# KiCad board TFLN_AI_NODE_X2_routed.kicad_pcb (continued)
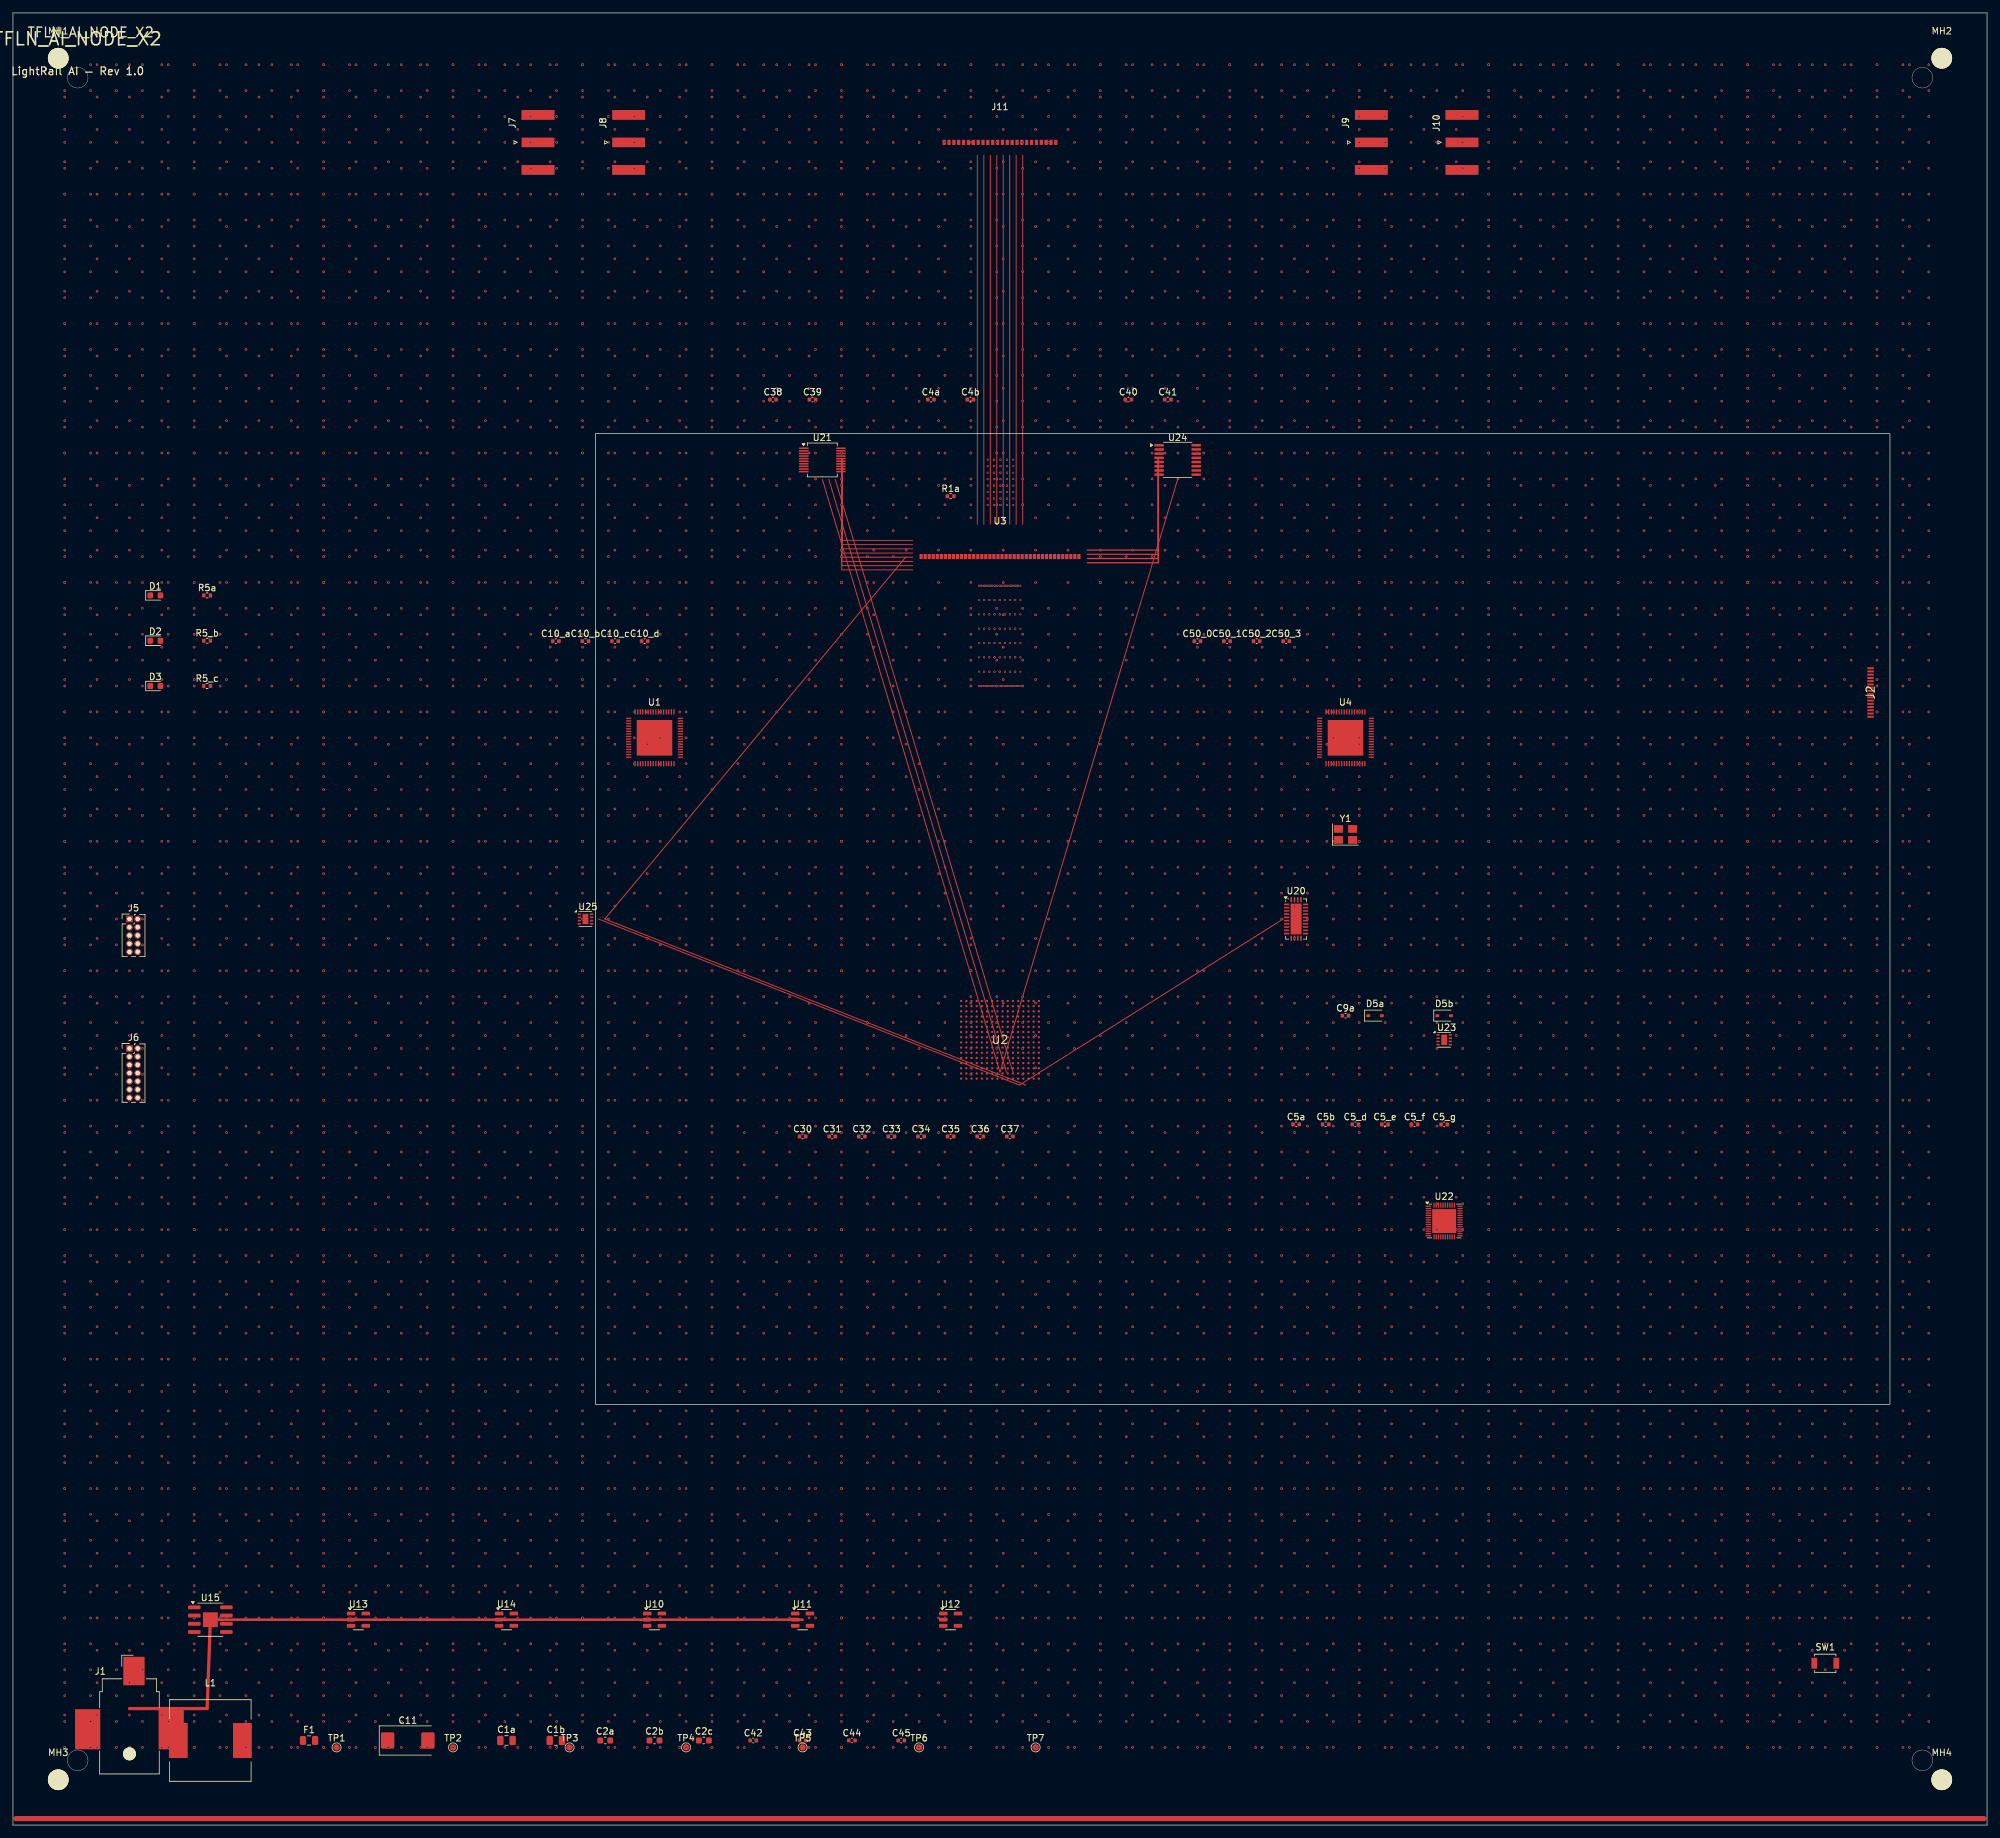
[diagram p0: board, top side]
## Routing (per net, layer and track width the routed paths; a pad name or vN(x,y) marks a point on that pad's centre or on a via; arc(x,y) is an arc through that point) (continued)
v1(208,232) v1(208,232) v1(208,228) v1(208,227) v1(208,224) v1(208,222) v1(208,220) v1(208,217) v1(208,216) v1(208,212) v1(208,212) v1(208,208) v1(208,207) v1(208,204) v1(208,202) v1(208,200) v1(208,197) v1(208,196) v1(208,192) v1(208,192) v1(208,188) v1(208,187) v1(208,184) v1(208,182) v1(208,180) v1(208,177) v1(208,176) v1(208,168) v1(208,167) v1(208,162) v1(208,160) v1(208,157) v1(208,156) v1(208,152) v1(208,152) v1(208,148) v1(208,147) v1(208,144) v1(208,142) v1(208,140) v1(208,137) v1(208,136) v1(208,132) v1(208,132) v1(208,128) v1(208,127) v1(208,124) v1(208,122) v1(208,120) v1(208,117) v1(208,116) v1(208,112) v1(208,112) v1(208,108) v1(208,107) v1(208,104) v1(208,102) v1(208,100) v1(208,97) v1(208,96) v1(208,92) v1(208,92) v1(208,88) v1(208,87) v1(208,84) v1(208,82) v1(208,80) v1(208,77) v1(208,76) v1(208,72) v1(208,72) v1(208,68) v1(208,67) v1(208,64) v1(208,62) v1(208,60) v1(208,57) v1(208,56) v1(208,52) v1(208,52) v1(208,48) v1(208,47) v1(208,44) v1(208,42) v1(208,40) v1(208,37) v1(208,36) v1(208,32) v1(208,32) v1(208,28) v1(208,27) v1(208,24) v1(208,22) v1(208,20) v1(208,17) v1(208,16) v1(208,12) v1(208,12) v1(212,272) v1(212,268) v1(212,264) v1(212,256) v1(212,252) v1(212,248) v1(212,244) v1(212,240) v1(212,236) v1(212,232) v1(212,228) v1(212,224) v1(212,220) v1(212,216) v1(212,212) v1(212,208) v1(212,204) v1(212,200) v1(212,196) v1(212,192) v1(212,188) v1(212,184) v1(212,180) v1(212,176) v1(212,172) v1(212,168) v1(212,164) v1(212,160) v1(212,156) v1(212,152) v1(212,148) v1(212,144) v1(212,140) v1(212,136) v1(212,132) v1(212,128) v1(212,124) v1(212,120) v1(212,116) v1(212,112) v1(212,108) v1(212,104) v1(212,100) v1(212,96) v1(212,92) v1(212,88) v1(212,84) v1(212,80) v1(212,76) v1(212,72) v1(212,68) v1(212,64) v1(212,60) v1(212,56) v1(212,52) v1(212,48) v1(212,44) v1(212,40) v1(212,36) v1(212,32) v1(212,28) v1(212,24) v1(212,20) v1(212,16) v1(212,12) v1(213,272) v1(213,267) v1(213,262) v1(213,257) v1(213,252) v1(213,247) v1(213,242) v1(213,237) v1(213,232) v1(213,227) v1(213,222) v1(213,217) v1(213,212) v1(213,207) v1(213,202) v1(213,197) v1(213,192) v1(213,187) v1(213,182) v1(213,177) v1(213,172) v1(213,167) v1(213,162) v1(213,157) v1(213,152) v1(213,147) v1(213,142) v1(213,137) v1(213,132) v1(213,127) v1(213,122) v1(213,117) v1(213,112) v1(213,107) v1(213,102) v1(213,97) v1(213,92) v1(213,87) v1(213,82) v1(213,77) v1(213,72) v1(213,67) v1(213,62) v1(213,57) v1(213,52) v1(213,47) v1(213,42) v1(213,37) v1(213,32) v1(213,27) v1(213,22) v1(213,17) v1(213,12) v1(216,272) v1(216,268) v1(216,264) v1(216,260) v1(216,256) v1(216,252) v1(216,248) v1(216,244) v1(216,240) v1(216,236) v1(216,232) v1(216,228) v1(216,224) v1(216,220) v1(216,216) v1(216,212) v1(216,208) v1(216,204) v1(216,200) v1(216,196) v1(216,192) v1(216,188) v1(216,184) v1(216,180) v1(216,176) v1(216,172) v1(216,168) v1(216,164) v1(216,160) v1(216,156) v1(216,152) v1(216,148) v1(216,144) v1(216,140) v1(216,136) v1(216,132) v1(216,128) v1(216,124) v1(216,120) v1(216,116) v1(216,112) v1(216,104) v1(216,100) v1(216,96) v1(216,92) v1(216,88) v1(216,84) v1(216,80) v1(216,76) v1(216,72) v1(216,68) v1(216,64) v1(216,60) v1(216,56) v1(216,52) v1(216,48) v1(216,44) v1(216,40) v1(216,36) v1(216,32) v1(216,28) v1(216,24) v1(216,20) v1(216,16) v1(216,12) v1(218,272) v1(218,267) v1(218,262) v1(218,257) v1(218,252) v1(218,247) v1(218,242) v1(218,237) v1(218,232) v1(218,227) v1(218,222) v1(218,217) v1(218,212) v1(218,207) v1(218,202) v1(218,197) v1(218,192) v1(218,187) v1(218,182) v1(218,177) v1(218,172) v1(218,167) v1(218,162) v1(218,157) v1(218,152) v1(218,147) v1(218,142) v1(218,137) v1(218,132) v1(218,127) v1(218,122) v1(218,117) v1(218,112) v1(218,107) v1(218,102) v1(218,97) v1(218,92) v1(218,87) v1(218,82) v1(218,77) v1(218,72) v1(218,67) v1(218,62) v1(218,57) v1(218,52) v1(218,47) v1(218,42) v1(218,37) v1(218,32) v1(218,27) v1(218,22) v1(218,17) v1(218,12) v1(220,272) v1(220,268) v1(220,264) v1(220,260) v1(220,256) v1(220,252) v1(220,248) v1(220,244) v1(220,240) v1(220,236) v1(220,232) v1(220,228) v1(220,224) v1(220,220) v1(220,216) v1(220,212) v1(220,208) v1(220,204) v1(220,200) v1(220,196) v1(220,192) v1(220,188) v1(220,184) v1(220,180) v1(220,176) v1(220,172) v1(220,168) v1(220,164) v1(220,160) v1(220,156) v1(220,152) v1(220,148) v1(220,144) v1(220,140) v1(220,136) v1(220,132) v1(220,128) v1(220,124) v1(220,120) v1(220,116) v1(220,112) v1(220,108) v1(220,104) v1(220,100) v1(220,96) v1(220,92) v1(220,88) v1(220,84) v1(220,80) v1(220,76) v1(220,72) v1(220,68) v1(220,64) v1(220,60) v1(220,56) v1(220,52) v1(220,48) v1(220,44) v1(220,40) v1(220,36) v1(220,32) v1(220,28) v1(220,24) v1(220,20) v1(220,16) v1(220,12) v1(223,272) v1(223,267) v1(223,262) v1(223,257) v1(223,252) v1(223,247) v1(223,242) v1(223,237) v1(223,232) v1(223,227) v1(223,222) v1(223,217) v1(223,212) v1(223,207) v1(223,202) v1(223,197) v1(223,192) v1(223,187) v1(223,182) v1(223,177) v1(223,172) v1(223,167) v1(223,162) v1(223,157) v1(223,152) v1(223,147) v1(223,142) v1(223,137) v1(223,132) v1(223,127) v1(223,122) v1(223,117) v1(223,112) v1(223,107) v1(223,102) v1(223,97) v1(223,92) v1(223,87) v1(223,82) v1(223,77) v1(223,72) v1(223,67) v1(223,62) v1(223,57) v1(223,52) v1(223,47) v1(223,42) v1(223,37) v1(223,32) v1(223,27) v1(223,22) v1(223,17) v1(223,12) v1(224,272) v1(224,268) v1(224,264) v1(224,256) v1(224,252) v1(224,248) v1(224,244) v1(224,240) v1(224,236) v1(224,232) v1(224,228) v1(224,224) v1(224,220) v1(224,216) v1(224,212) v1(224,208) v1(224,204) v1(224,200) v1(224,196) v1(224,192) v1(224,188) v1(224,184) v1(224,180) v1(224,176) v1(224,172) v1(224,168) v1(224,164) v1(224,160) v1(224,156) v1(224,152) v1(224,148) v1(224,144) v1(224,140) v1(224,136) v1(224,132) v1(224,128) v1(224,124) v1(224,120) v1(224,116) v1(224,112) v1(224,108) v1(224,104) v1(224,100) v1(224,96) v1(224,92) v1(224,88) v1(224,84) v1(224,80) v1(224,76) v1(224,72) v1(224,68) v1(224,64) v1(224,60) v1(224,56) v1(224,52) v1(224,48) v1(224,44) v1(224,40) v1(224,36) v1(224,32) v1(224,28) v1(224,24) v1(224,20) v1(224,16) v1(224,12) v1(228,272) v1(228,272) v1(228,268) v1(228,267) v1(228,264) v1(228,262) v1(228,260) v1(228,257) v1(228,256) v1(228,252) v1(228,252) v1(228,248) v1(228,247) v1(228,244) v1(228,242) v1(228,240) v1(228,237) v1(228,236) v1(228,232) v1(228,232) v1(228,228) v1(228,227) v1(228,224) v1(228,222) v1(228,220) v1(228,217) v1(228,216) v1(228,212) v1(228,212) v1(228,208) v1(228,207) v1(228,204) v1(228,202) v1(228,200) v1(228,197) v1(228,196) v1(228,192) v1(228,192) v1(228,188) v1(228,187) v1(228,184) v1(228,182) v1(228,180) v1(228,177) v1(228,176) v1(228,172) v1(228,172) v1(228,168) v1(228,167) v1(228,164) v1(228,162) v1(228,160) v1(228,157) v1(228,156) v1(228,152) v1(228,152) v1(228,148) v1(228,147) v1(228,144) v1(228,142) v1(228,140) v1(228,137) v1(228,136) v1(228,132) v1(228,132) v1(228,128) v1(228,127) v1(228,124) v1(228,122) v1(228,120) v1(228,117) v1(228,116) v1(228,112) v1(228,112) v1(228,108) v1(228,107) v1(228,104) v1(228,102) v1(228,100) v1(228,97) v1(228,96) v1(228,92) v1(228,92) v1(228,88) v1(228,87) v1(228,84) v1(228,82) v1(228,80) v1(228,77) v1(228,76) v1(228,72) v1(228,72) v1(228,68) v1(228,67) v1(228,64) v1(228,62) v1(228,60) v1(228,57) v1(228,56) v1(228,52) v1(228,52) v1(228,48) v1(228,47) v1(228,44) v1(228,42) v1(228,40) v1(228,37) v1(228,36) v1(228,32) v1(228,32) v1(228,28) v1(228,27) v1(228,24) v1(228,22) v1(228,20) v1(228,17) v1(228,16) v1(228,12) v1(228,12) v1(232,272) v1(232,268) v1(232,264) v1(232,260) v1(232,256) v1(232,252) v1(232,248) v1(232,244) v1(232,240) v1(232,236) v1(232,232) v1(232,228) v1(232,224) v1(232,220) v1(232,216) v1(232,212) v1(232,208) v1(232,204) v1(232,200) v1(232,196) v1(232,192) v1(232,188) v1(232,184) v1(232,180) v1(232,176) v1(232,172) v1(232,168) v1(232,164) v1(232,160) v1(232,156) v1(232,152) v1(232,148) v1(232,144) v1(232,140) v1(232,136) v1(232,132) v1(232,128) v1(232,124) v1(232,120) v1(232,116) v1(232,112) v1(232,108) v1(232,104) v1(232,100) v1(232,96) v1(232,92) v1(232,88) v1(232,84) v1(232,80) v1(232,76) v1(232,72) v1(232,68) v1(232,64) v1(232,60) v1(232,56) v1(232,52) v1(232,48) v1(232,44) v1(232,40) v1(232,36) v1(232,32) v1(232,28) v1(232,24) v1(232,20) v1(232,16) v1(232,12) v1(233,272) v1(233,267) v1(233,262) v1(233,257) v1(233,252) v1(233,247) v1(233,242) v1(233,237) v1(233,232) v1(233,227) v1(233,222) v1(233,217) v1(233,212) v1(233,207) v1(233,202) v1(233,197) v1(233,192) v1(233,187) v1(233,182) v1(233,177) v1(233,172) v1(233,167) v1(233,162) v1(233,157) v1(233,152) v1(233,147) v1(233,142) v1(233,137) v1(233,132) v1(233,127) v1(233,122) v1(233,117) v1(233,112) v1(233,107) v1(233,102) v1(233,97) v1(233,92) v1(233,87) v1(233,82) v1(233,77) v1(233,72) v1(233,67) v1(233,62) v1(233,57) v1(233,52) v1(233,47) v1(233,42) v1(233,37) v1(233,32) v1(233,27) v1(233,22) v1(233,17) v1(233,12) v1(236,272) v1(236,268) v1(236,264) v1(236,260) v1(236,256) v1(236,252) v1(236,248) v1(236,244) v1(236,240) v1(236,236) v1(236,232) v1(236,228) v1(236,224) v1(236,220) v1(236,216) v1(236,212) v1(236,208) v1(236,204) v1(236,200) v1(236,196) v1(236,192) v1(236,188) v1(236,184) v1(236,180) v1(236,176) v1(236,172) v1(236,168) v1(236,164) v1(236,160) v1(236,156) v1(236,152) v1(236,148) v1(236,144) v1(236,140) v1(236,136) v1(236,132) v1(236,128) v1(236,124) v1(236,120) v1(236,116) v1(236,112) v1(236,108) v1(236,104) v1(236,100) v1(236,96) v1(236,92) v1(236,88) v1(236,84) v1(236,80) v1(236,76) v1(236,72) v1(236,68) v1(236,64) v1(236,60) v1(236,56) v1(236,52) v1(236,48) v1(236,44) v1(236,40) v1(236,36) v1(236,32) v1(236,28) v1(236,24) v1(236,20) v1(236,16) v1(236,12) v1(238,272) v1(238,267) v1(238,262) v1(238,257) v1(238,252) v1(238,247) v1(238,242) v1(238,237) v1(238,232) v1(238,227) v1(238,222) v1(238,217) v1(238,212) v1(238,207) v1(238,202) v1(238,197) v1(238,192) v1(238,187) v1(238,182) v1(238,177) v1(238,172) v1(238,167) v1(238,162) v1(238,157) v1(238,152) v1(238,147) v1(238,142) v1(238,137) v1(238,132) v1(238,127) v1(238,122) v1(238,117) v1(238,112) v1(238,107) v1(238,102) v1(238,97) v1(238,92) v1(238,87) v1(238,82) v1(238,77) v1(238,72) v1(238,67) v1(238,62) v1(238,57) v1(238,52) v1(238,47) v1(238,42) v1(238,37) v1(238,32) v1(238,27) v1(238,22) v1(238,17) v1(238,12) v1(240,272) v1(240,268) v1(240,264) v1(240,260) v1(240,256) v1(240,252) v1(240,248) v1(240,244) v1(240,240) v1(240,236) v1(240,232) v1(240,228) v1(240,224) v1(240,220) v1(240,216) v1(240,212) v1(240,208) v1(240,204) v1(240,200) v1(240,196) v1(240,192) v1(240,188) v1(240,184) v1(240,180) v1(240,176) v1(240,172) v1(240,168) v1(240,164) v1(240,160) v1(240,156) v1(240,152) v1(240,148) v1(240,144) v1(240,140) v1(240,136) v1(240,132) v1(240,128) v1(240,124) v1(240,120) v1(240,116) v1(240,112) v1(240,108) v1(240,104) v1(240,100) v1(240,96) v1(240,92) v1(240,88) v1(240,84) v1(240,80) v1(240,76) v1(240,72) v1(240,68) v1(240,64) v1(240,60) v1(240,56) v1(240,52) v1(240,48) v1(240,44) v1(240,40) v1(240,36) v1(240,32) v1(240,28) v1(240,24) v1(240,20) v1(240,16) v1(240,12) v1(243,272) v1(243,267) v1(243,262) v1(243,257) v1(243,252) v1(243,247) v1(243,242) v1(243,237) v1(243,232) v1(243,227) v1(243,222) v1(243,217) v1(243,212) v1(243,207) v1(243,202) v1(243,197) v1(243,192) v1(243,187) v1(243,182) v1(243,177) v1(243,172) v1(243,167) v1(243,162) v1(243,157) v1(243,152) v1(243,147) v1(243,142) v1(243,137) v1(243,132) v1(243,127) v1(243,122) v1(243,117) v1(243,112) v1(243,107) v1(243,102) v1(243,97) v1(243,92) v1(243,87) v1(243,82) v1(243,77) v1(243,72) v1(243,67) v1(243,62) v1(243,57) v1(243,52) v1(243,47) v1(243,42) v1(243,37) v1(243,32) v1(243,27) v1(243,22) v1(243,17) v1(243,12) v1(244,272) v1(244,268) v1(244,264) v1(244,260) v1(244,256) v1(244,252) v1(244,248) v1(244,244) v1(244,240) v1(244,236) v1(244,232) v1(244,228) v1(244,224) v1(244,220) v1(244,216) v1(244,212) v1(244,208) v1(244,204) v1(244,200) v1(244,196) v1(244,192) v1(244,188) v1(244,184) v1(244,180) v1(244,176) v1(244,172) v1(244,168) v1(244,164) v1(244,160) v1(244,156) v1(244,152) v1(244,148) v1(244,144) v1(244,140) v1(244,136) v1(244,132) v1(244,128) v1(244,124) v1(244,120) v1(244,116) v1(244,112) v1(244,108) v1(244,104) v1(244,100) v1(244,96) v1(244,92) v1(244,88) v1(244,84) v1(244,80) v1(244,76) v1(244,72) v1(244,68) v1(244,64) v1(244,60) v1(244,56) v1(244,52) v1(244,48) v1(244,44) v1(244,40) v1(244,36) v1(244,32) v1(244,28) v1(244,24) v1(244,20) v1(244,16) v1(244,12) v1(248,272) v1(248,272) v1(248,268) v1(248,267) v1(248,264) v1(248,262) v1(248,260) v1(248,257) v1(248,256) v1(248,252) v1(248,252) v1(248,248) v1(248,247) v1(248,244) v1(248,242) v1(248,240) v1(248,237) v1(248,236) v1(248,232) v1(248,232) v1(248,228) v1(248,227) v1(248,224) v1(248,222) v1(248,220) v1(248,217) v1(248,216) v1(248,212) v1(248,212) v1(248,208) v1(248,207) v1(248,204) v1(248,202) v1(248,200) v1(248,197) v1(248,196) v1(248,192) v1(248,192) v1(248,188) v1(248,187) v1(248,184) v1(248,182) v1(248,180) v1(248,177) v1(248,176) v1(248,172) v1(248,172) v1(248,168) v1(248,167) v1(248,164) v1(248,162) v1(248,160) v1(248,157) v1(248,156) v1(248,152) v1(248,152) v1(248,148) v1(248,147) v1(248,144) v1(248,142) v1(248,140) v1(248,137) v1(248,136) v1(248,132) v1(248,132) v1(248,128) v1(248,127) v1(248,124) v1(248,122) v1(248,120) v1(248,117) v1(248,116) v1(248,112) v1(248,112) v1(248,108) v1(248,107) v1(248,104) v1(248,102) v1(248,100) v1(248,97) v1(248,96) v1(248,92) v1(248,92) v1(248,88) v1(248,87) v1(248,84) v1(248,82) v1(248,80) v1(248,77) v1(248,76) v1(248,72) v1(248,72) v1(248,68) v1(248,67) v1(248,64) v1(248,62) v1(248,60) v1(248,57) v1(248,56) v1(248,52) v1(248,52) v1(248,48) v1(248,47) v1(248,44) v1(248,42) v1(248,40) v1(248,37) v1(248,36) v1(248,32) v1(248,32) v1(248,28) v1(248,27) v1(248,24) v1(248,22) v1(248,20) v1(248,17) v1(248,16) v1(248,12) v1(248,12) v1(252,272) v1(252,268) v1(252,264) v1(252,260) v1(252,256) v1(252,252) v1(252,248) v1(252,244) v1(252,240) v1(252,236) v1(252,232) v1(252,228) v1(252,224) v1(252,220) v1(252,216) v1(252,212) v1(252,208) v1(252,204) v1(252,200) v1(252,196) v1(252,192) v1(252,188) v1(252,184) v1(252,180) v1(252,176) v1(252,172) v1(252,168) v1(252,164) v1(252,160) v1(252,156) v1(252,152) v1(252,148) v1(252,144) v1(252,140) v1(252,136) v1(252,132) v1(252,128) v1(252,124) v1(252,120) v1(252,116) v1(252,112) v1(252,108) v1(252,104) v1(252,100) v1(252,96) v1(252,92) v1(252,88) v1(252,84) v1(252,80) v1(252,76) v1(252,72) v1(252,68) v1(252,64) v1(252,60) v1(252,56) v1(252,52) v1(252,48) v1(252,44) v1(252,40) v1(252,36) v1(252,32) v1(252,28) v1(252,24) v1(252,20) v1(252,16) v1(252,12) v1(253,272) v1(253,267) v1(253,262) v1(253,257) v1(253,252) v1(253,247) v1(253,242) v1(253,237) v1(253,232) v1(253,227) v1(253,222) v1(253,217) v1(253,212) v1(253,207) v1(253,202) v1(253,197) v1(253,192) v1(253,187) v1(253,182) v1(253,177) v1(253,172) v1(253,167) v1(253,162) v1(253,157) v1(253,152) v1(253,147) v1(253,142) v1(253,137) v1(253,132) v1(253,127) v1(253,122) v1(253,117) v1(253,112) v1(253,107) v1(253,102) v1(253,97) v1(253,92) v1(253,87) v1(253,82) v1(253,77) v1(253,72) v1(253,67) v1(253,62) v1(253,57) v1(253,52) v1(253,47) v1(253,42) v1(253,37) v1(253,32) v1(253,27) v1(253,22) v1(253,17) v1(253,12) v1(256,272) v1(256,268) v1(256,264) v1(256,260) v1(256,256) v1(256,252) v1(256,248) v1(256,244) v1(256,240) v1(256,236) v1(256,232) v1(256,228) v1(256,224) v1(256,220) v1(256,216) v1(256,212) v1(256,208) v1(256,204) v1(256,200) v1(256,196) v1(256,192) v1(256,188) v1(256,184) v1(256,180) v1(256,176) v1(256,172) v1(256,168) v1(256,164) v1(256,160) v1(256,156) v1(256,152) v1(256,148) v1(256,144) v1(256,140) v1(256,136) v1(256,132) v1(256,128) v1(256,124) v1(256,120) v1(256,116) v1(256,112) v1(256,108) v1(256,104) v1(256,100) v1(256,96) v1(256,92) v1(256,88) v1(256,84) v1(256,80) v1(256,76) v1(256,72) v1(256,68) v1(256,64) v1(256,60) v1(256,56) v1(256,52) v1(256,48) v1(256,44) v1(256,40) v1(256,36) v1(256,32) v1(256,28) v1(256,24) v1(256,20) v1(256,16) v1(256,12) v1(258,272) v1(258,267) v1(258,262) v1(258,257) v1(258,252) v1(258,247) v1(258,242) v1(258,237) v1(258,232) v1(258,227) v1(258,222) v1(258,217) v1(258,212) v1(258,207) v1(258,202) v1(258,197) v1(258,192) v1(258,187) v1(258,182) v1(258,177) v1(258,172) v1(258,167) v1(258,162) v1(258,157) v1(258,152) v1(258,147) v1(258,142) v1(258,137) v1(258,132) v1(258,127) v1(258,122) v1(258,117) v1(258,112) v1(258,107) v1(258,102) v1(258,97) v1(258,92) v1(258,87) v1(258,82) v1(258,77) v1(258,72) v1(258,67) v1(258,62) v1(258,57) v1(258,52) v1(258,47) v1(258,42) v1(258,37) v1(258,32) v1(258,27) v1(258,22) v1(258,17) v1(258,12) v1(260,272) v1(260,268) v1(260,264) v1(260,260) v1(260,256) v1(260,252) v1(260,248) v1(260,244) v1(260,240) v1(260,236) v1(260,232) v1(260,228) v1(260,224) v1(260,220) v1(260,216) v1(260,212) v1(260,208) v1(260,204) v1(260,200) v1(260,196) v1(260,192) v1(260,188) v1(260,184) v1(260,180) v1(260,176) v1(260,172) v1(260,168) v1(260,164) v1(260,160) v1(260,156) v1(260,152) v1(260,148) v1(260,144) v1(260,140) v1(260,136) v1(260,132) v1(260,128) v1(260,124) v1(260,120) v1(260,116) v1(260,112) v1(260,108) v1(260,104) v1(260,100) v1(260,96) v1(260,92) v1(260,88) v1(260,84) v1(260,80) v1(260,76) v1(260,72) v1(260,68) v1(260,64) v1(260,60) v1(260,56) v1(260,52) v1(260,48) v1(260,44) v1(260,40) v1(260,36) v1(260,32) v1(260,28) v1(260,24) v1(260,20) v1(260,16) v1(260,12) v1(263,272) v1(263,267) v1(263,262) v1(263,257) v1(263,252) v1(263,247) v1(263,242) v1(263,237) v1(263,232) v1(263,227) v1(263,222) v1(263,217) v1(263,212) v1(263,207) v1(263,202) v1(263,197) v1(263,192) v1(263,187) v1(263,182) v1(263,177) v1(263,172) v1(263,167) v1(263,162) v1(263,157) v1(263,152) v1(263,147) v1(263,142) v1(263,137) v1(263,132) v1(263,127) v1(263,122) v1(263,117) v1(263,112) v1(263,107) v1(263,102) v1(263,97) v1(263,92) v1(263,87) v1(263,82) v1(263,77) v1(263,72) v1(263,67) v1(263,62) v1(263,57) v1(263,52) v1(263,47) v1(263,42) v1(263,37) v1(263,32) v1(263,27) v1(263,22) v1(263,17) v1(263,12) v1(264,272) v1(264,268) v1(264,264) v1(264,260) v1(264,256) v1(264,252) v1(264,248) v1(264,244) v1(264,240) v1(264,236) v1(264,232) v1(264,228) v1(264,224) v1(264,220) v1(264,216) v1(264,212) v1(264,208) v1(264,204) v1(264,200) v1(264,196) v1(264,192) v1(264,188) v1(264,184) v1(264,180) v1(264,176) v1(264,172) v1(264,168) v1(264,164) v1(264,160) v1(264,156) v1(264,152) v1(264,148) v1(264,144) v1(264,140) v1(264,136) v1(264,132) v1(264,128) v1(264,124) v1(264,120) v1(264,116) v1(264,112) v1(264,108) v1(264,104) v1(264,100) v1(264,96) v1(264,92) v1(264,88) v1(264,84) v1(264,80) v1(264,76) v1(264,72) v1(264,68) v1(264,64) v1(264,60) v1(264,56) v1(264,52) v1(264,48) v1(264,44) v1(264,40) v1(264,36) v1(264,32) v1(264,28) v1(264,24) v1(264,20) v1(264,16) v1(264,12) v1(268,272) v1(268,272) v1(268,268) v1(268,267) v1(268,264) v1(268,262) v1(268,260) v1(268,257) v1(268,256) v1(268,252) v1(268,252) v1(268,248) v1(268,247) v1(268,244) v1(268,242) v1(268,240) v1(268,237) v1(268,236) v1(268,232) v1(268,232) v1(268,228) v1(268,227) v1(268,224) v1(268,222) v1(268,220) v1(268,217) v1(268,216) v1(268,212) v1(268,212) v1(268,208) v1(268,207) v1(268,204) v1(268,202) v1(268,200) v1(268,197) v1(268,196) v1(268,192) v1(268,192) v1(268,188) v1(268,187) v1(268,184) v1(268,182) v1(268,180) v1(268,177) v1(268,176) v1(268,172) v1(268,172) v1(268,168) v1(268,167) v1(268,164) v1(268,162) v1(268,160) v1(268,157) v1(268,156) v1(268,152) v1(268,152) v1(268,148) v1(268,147) v1(268,144) v1(268,142) v1(268,140) v1(268,137) v1(268,136) v1(268,132) v1(268,132) v1(268,128) v1(268,127) v1(268,124) v1(268,122) v1(268,120) v1(268,117) v1(268,116) v1(268,112) v1(268,112) v1(268,108) v1(268,107) v1(268,104) v1(268,102) v1(268,100) v1(268,97) v1(268,96) v1(268,92) v1(268,92) v1(268,88) v1(268,87) v1(268,84) v1(268,82) v1(268,80) v1(268,77) v1(268,76) v1(268,72) v1(268,72) v1(268,68) v1(268,67) v1(268,64) v1(268,62) v1(268,60) v1(268,57) v1(268,56) v1(268,52) v1(268,52) v1(268,48) v1(268,47) v1(268,44) v1(268,42) v1(268,40) v1(268,37) v1(268,36) v1(268,32) v1(268,32) v1(268,28) v1(268,27) v1(268,24) v1(268,22) v1(268,20) v1(268,17) v1(268,16) v1(268,12) v1(268,12) v1(272,272) v1(272,268) v1(272,264) v1(272,260) v1(272,256) v1(272,252) v1(272,248) v1(272,244) v1(272,240) v1(272,236) v1(272,232) v1(272,228) v1(272,224) v1(272,220) v1(272,216) v1(272,212) v1(272,208) v1(272,204) v1(272,200) v1(272,196) v1(272,192) v1(272,188) v1(272,184) v1(272,180) v1(272,176) v1(272,172) v1(272,168) v1(272,164) v1(272,160) v1(272,156) v1(272,152) v1(272,148) v1(272,144) v1(272,140) v1(272,136) v1(272,132) v1(272,128) v1(272,124) v1(272,120) v1(272,116) v1(272,112) v1(272,108) v1(272,104) v1(272,100) v1(272,96) v1(272,92) v1(272,88) v1(272,84) v1(272,80) v1(272,76) v1(272,72) v1(272,68) v1(272,64) v1(272,60) v1(272,56) v1(272,52) v1(272,48) v1(272,44) v1(272,40) v1(272,36) v1(272,32) v1(272,28) v1(272,24) v1(272,20) v1(272,16) v1(272,12) v1(273,272) v1(273,267) v1(273,262) v1(273,257) v1(273,252) v1(273,247) v1(273,242) v1(273,237) v1(273,232) v1(273,227) v1(273,222) v1(273,217) v1(273,212) v1(273,207) v1(273,202) v1(273,197) v1(273,192) v1(273,187) v1(273,182) v1(273,177) v1(273,172) v1(273,167) v1(273,162) v1(273,157) v1(273,152) v1(273,147) v1(273,142) v1(273,137) v1(273,132) v1(273,127) v1(273,122) v1(273,117) v1(273,112) v1(273,107) v1(273,102) v1(273,97) v1(273,92) v1(273,87) v1(273,82) v1(273,77) v1(273,72) v1(273,67) v1(273,62) v1(273,57) v1(273,52) v1(273,47) v1(273,42) v1(273,37) v1(273,32) v1(273,27) v1(273,22) v1(273,17) v1(273,12) v1(276,272) v1(276,268) v1(276,264) v1(276,260) v1(276,256) v1(276,252) v1(276,248) v1(276,244) v1(276,240) v1(276,236) v1(276,232) v1(276,228) v1(276,224) v1(276,220) v1(276,216) v1(276,212) v1(276,208) v1(276,204) v1(276,200) v1(276,196) v1(276,192) v1(276,188) v1(276,184) v1(276,180) v1(276,176) v1(276,172) v1(276,168) v1(276,164) v1(276,160) v1(276,156) v1(276,152) v1(276,148) v1(276,144) v1(276,140) v1(276,136) v1(276,132) v1(276,128) v1(276,124) v1(276,120) v1(276,116) v1(276,112) v1(276,108) v1(276,104) v1(276,100) v1(276,96) v1(276,92) v1(276,88) v1(276,84) v1(276,80) v1(276,76) v1(276,72) v1(276,68) v1(276,64) v1(276,60) v1(276,56) v1(276,52) v1(276,48) v1(276,44) v1(276,40) v1(276,36) v1(276,32) v1(276,28) v1(276,24) v1(276,20) v1(276,16) v1(276,12) v1(278,272) v1(278,267) v1(278,262) v1(278,257) v1(278,252) v1(278,247) v1(278,242) v1(278,237) v1(278,232) v1(278,227) v1(278,222) v1(278,217) v1(278,212) v1(278,207) v1(278,202) v1(278,197) v1(278,192) v1(278,187) v1(278,182) v1(278,177) v1(278,172) v1(278,167) v1(278,162) v1(278,157) v1(278,152) v1(278,147) v1(278,142) v1(278,137) v1(278,132) v1(278,127) v1(278,122) v1(278,117) v1(278,112) v1(278,107) v1(278,102) v1(278,97) v1(278,92) v1(278,87) v1(278,82) v1(278,77) v1(278,72) v1(278,67) v1(278,62) v1(278,57) v1(278,52) v1(278,47) v1(278,42) v1(278,37) v1(278,32) v1(278,27) v1(278,22) v1(278,17) v1(278,12) v1(280,272) v1(280,268) v1(280,264) v1(280,260) v1(280,256) v1(280,252) v1(280,248) v1(280,244) v1(280,240) v1(280,236) v1(280,232) v1(280,228) v1(280,224) v1(280,220) v1(280,216) v1(280,212) v1(280,208) v1(280,204) v1(280,200) v1(280,196) v1(280,192) v1(280,188) v1(280,184) v1(280,180) v1(280,176) v1(280,172) v1(280,168) v1(280,164) v1(280,160) v1(280,156) v1(280,152) v1(280,148) v1(280,144) v1(280,140) v1(280,136) v1(280,132) v1(280,128) v1(280,124) v1(280,120) v1(280,116) v1(280,112) v1(280,108) v1(280,104) v1(280,100) v1(280,96) v1(280,92) v1(280,88) v1(280,84) v1(280,80) v1(280,76) v1(280,72) v1(280,68) v1(280,64) v1(280,60) v1(280,56) v1(280,52) v1(280,48) v1(280,44) v1(280,40) v1(280,36) v1(280,32) v1(280,28) v1(280,24) v1(280,20) v1(280,16) v1(280,12) v1(283,272) v1(283,267) v1(283,262) v1(283,257) v1(283,252) v1(283,247) v1(283,242) v1(283,237) v1(283,232) v1(283,227) v1(283,222) v1(283,217) v1(283,212) v1(283,207) v1(283,202) v1(283,197) v1(283,192) v1(283,187) v1(283,182) v1(283,177) v1(283,172) v1(283,167) v1(283,162) v1(283,157) v1(283,152) v1(283,147) v1(283,142) v1(283,137) v1(283,132) v1(283,127) v1(283,122) v1(283,117) v1(283,112) v1(283,107) v1(283,102) v1(283,97) v1(283,92) v1(283,87) v1(283,82) v1(283,77) v1(283,72) v1(283,67) v1(283,62) v1(283,57) v1(283,52) v1(283,47) v1(283,42) v1(283,37) v1(283,32) v1(283,27) v1(283,22) v1(283,17) v1(283,12) v1(284,272) v1(284,268) v1(284,264) v1(284,260) v1(284,256) v1(284,252) v1(284,248) v1(284,244) v1(284,240) v1(284,236) v1(284,232) v1(284,228) v1(284,224) v1(284,220) v1(284,216) v1(284,212) v1(284,208) v1(284,204) v1(284,200) v1(284,196) v1(284,192) v1(284,188) v1(284,184) v1(284,180) v1(284,176) v1(284,172) v1(284,168) v1(284,164) v1(284,160) v1(284,156) v1(284,152) v1(284,148) v1(284,144) v1(284,140) v1(284,136) v1(284,132) v1(284,128) v1(284,124) v1(284,120) v1(284,116) v1(284,112) v1(284,108) v1(284,104) v1(284,100) v1(284,96) v1(284,92) v1(284,88) v1(284,84) v1(284,80) v1(284,76) v1(284,72) v1(284,68) v1(284,64) v1(284,60) v1(284,56) v1(284,52) v1(284,48) v1(284,44) v1(284,40) v1(284,36) v1(284,32) v1(284,28) v1(284,24) v1(284,20) v1(284,16) v1(284,12) v1(288,272) v1(288,272) v1(288,268) v1(288,267) v1(288,264) v1(288,262) v1(288,260) v1(288,257) v1(288,256) v1(288,252) v1(288,252) v1(288,248) v1(288,247) v1(288,244) v1(288,242) v1(288,240) v1(288,237) v1(288,236) v1(288,232) v1(288,232) v1(288,228) v1(288,227) v1(288,224) v1(288,222) v1(288,220) v1(288,217) v1(288,216) v1(288,212) v1(288,212) v1(288,208) v1(288,207) v1(288,204) v1(288,202) v1(288,200) v1(288,197) v1(288,196) v1(288,192) v1(288,192) v1(288,188) v1(288,187) v1(288,184) v1(288,182) v1(288,180) v1(288,177) v1(288,176) v1(288,172) v1(288,172) v1(288,168) v1(288,167) v1(288,164) v1(288,162) v1(288,160) v1(288,157) v1(288,156) v1(288,152) v1(288,152) v1(288,148) v1(288,147) v1(288,144) v1(288,142) v1(288,140) v1(288,137) v1(288,136) v1(288,128) v1(288,127) v1(288,124) v1(288,122) v1(288,120) v1(288,117) v1(288,116) v1(288,112) v1(288,112) v1(288,108) v1(288,107) v1(288,104) v1(288,102) v1(288,100) v1(288,97) v1(288,96) v1(288,92) v1(288,92) v1(288,88) v1(288,87) v1(288,84) v1(288,82) v1(288,80) v1(288,77) v1(288,76) v1(288,72) v1(288,72) v1(288,68) v1(288,67) v1(288,64) v1(288,62) v1(288,60) v1(288,57) v1(288,56) v1(288,52) v1(288,52) v1(288,48) v1(288,47) v1(288,44) v1(288,42) v1(288,40) v1(288,37) v1(288,36) v1(288,32) v1(288,32) v1(288,28) v1(288,27) v1(288,24) v1(288,22) v1(288,20) v1(288,17) v1(288,16) v1(288,12) v1(288,12) v1(292,272) v1(292,268) v1(292,264) v1(292,260) v1(292,256) v1(292,252) v1(292,248) v1(292,244) v1(292,240) v1(292,236) v1(292,232) v1(292,228) v1(292,224) v1(292,220) v1(292,216) v1(292,212) v1(292,208) v1(292,204) v1(292,200) v1(292,196) v1(292,192) v1(292,188) v1(292,184) v1(292,180) v1(292,176) v1(292,172) v1(292,168) v1(292,164) v1(292,160) v1(292,156) v1(292,152) v1(292,148) v1(292,144) v1(292,140) v1(292,136) v1(292,132) v1(292,128) v1(292,124) v1(292,120) v1(292,116) v1(292,112) v1(292,108) v1(292,104) v1(292,100) v1(292,96) v1(292,92) v1(292,88) v1(292,84) v1(292,80) v1(292,76) v1(292,72) v1(292,68) v1(292,64) v1(292,60) v1(292,56) v1(292,52) v1(292,48) v1(292,44) v1(292,40) v1(292,36) v1(292,32) v1(292,28) v1(292,24) v1(292,20) v1(292,16) v1(292,12) v1(293,272) v1(293,267) v1(293,262) v1(293,257) v1(293,252) v1(293,247) v1(293,242) v1(293,237) v1(293,232) v1(293,227) v1(293,222) v1(293,217) v1(293,212) v1(293,207) v1(293,202) v1(293,197) v1(293,192) v1(293,187) v1(293,182) v1(293,177) v1(293,172) v1(293,167) v1(293,162) v1(293,157) v1(293,152) v1(293,147) v1(293,142) v1(293,137) v1(293,132) v1(293,127) v1(293,122) v1(293,117) v1(293,112) v1(293,107) v1(293,102) v1(293,97) v1(293,92) v1(293,87) v1(293,82) v1(293,77) v1(293,72) v1(293,67) v1(293,62) v1(293,57) v1(293,52) v1(293,47) v1(293,42) v1(293,37) v1(293,32) v1(293,27) v1(293,22) v1(293,17) v1(293,12) v1(296,272) v1(296,268) v1(296,264) v1(296,260) v1(296,256) v1(296,252) v1(296,248) v1(296,244) v1(296,240) v1(296,236) v1(296,232) v1(296,228) v1(296,224) v1(296,220) v1(296,216) v1(296,212) v1(296,208) v1(296,204) v1(296,200) v1(296,196) v1(296,192) v1(296,188) v1(296,184) v1(296,180) v1(296,176) v1(296,172) v1(296,168) v1(296,164) v1(296,160) v1(296,156) v1(296,152) v1(296,148) v1(296,144) v1(296,140) v1(296,136) v1(296,132) v1(296,128) v1(296,124) v1(296,120) v1(296,116) v1(296,112) v1(296,108) v1(296,104) v1(296,100) v1(296,96) v1(296,92) v1(296,88) v1(296,84) v1(296,80) v1(296,76) v1(296,72) v1(296,68) v1(296,64) v1(296,60) v1(296,56) v1(296,52) v1(296,48) v1(296,44) v1(296,40) v1(296,36) v1(296,32) v1(296,28) v1(296,24) v1(296,20) v1(296,16) v1(296,12) v2(150.6,210.97) v2(150.6,209.97) v2(150.6,208.97) v2(150.6,207.97) v2(150.6,206.97) v2(150.6,205.97) v2(150.6,204.97) v2(150.6,203.97) v2(150.85,191.5) v2(150.85,191.5) v2(150.85,189.29) v2(150.85,189.29) v2(150.85,187.07) v2(150.85,187.07) v2(150.85,184.86) v2(150.85,184.86) v2(150.85,182.64) v2(150.85,182.64) v2(150.85,180.43) v2(150.85,180.43) v2(150.85,178.21) v2(150.85,178.21) v2(150.85,176) v2(150.85,176) v2(151.55,210.97) v2(151.55,209.97) v2(151.55,208.97) v2(151.55,207.97) v2(151.55,206.97) v2(151.55,205.97) v2(151.55,204.97) v2(151.55,203.97) v2(151.6,210.97) v2(151.6,209.97) v2(151.6,208.97) v2(151.6,207.97) v2(151.6,206.97) v2(151.6,205.97) v2(151.6,204.97) v2(151.6,203.97) v2(151.65,191.5) v2(151.65,189.29) v2(151.65,187.07) v2(151.65,184.86) v2(151.65,182.64) v2(151.65,180.43) v2(151.65,178.21) v2(151.65,176) v2(151.65,191.5) v2(151.65,189.29) v2(151.65,187.07) v2(151.65,184.86) v2(151.65,182.64) v2(151.65,180.43) v2(151.65,178.21) v2(151.65,176) v2(152.45,191.5) v2(152.45,191.5) v2(152.45,189.29) v2(152.45,189.29) v2(152.45,187.07) v2(152.45,187.07) v2(152.45,184.86) v2(152.45,184.86) v2(152.45,182.64) v2(152.45,182.64) v2(152.45,180.43) v2(152.45,180.43) v2(152.45,178.21) v2(152.45,178.21) v2(152.45,176) v2(152.45,176) v2(152.55,210.97) v2(152.55,209.97) v2(152.55,208.97) v2(152.55,207.97) v2(152.55,206.97) v2(152.55,205.97) v2(152.55,204.97) v2(152.55,203.97) v2(152.6,210.97) v2(152.6,209.97) v2(152.6,208.97) v2(152.6,207.97) v2(152.6,206.97) v2(152.6,205.97) v2(152.6,204.97) v2(152.6,203.97) v2(153.25,191.5) v2(153.25,191.5) v2(153.25,189.29) v2(153.25,189.29) v2(153.25,187.07) v2(153.25,187.07) v2(153.25,184.86) v2(153.25,184.86) v2(153.25,182.64) v2(153.25,182.64) v2(153.25,180.43) v2(153.25,180.43) v2(153.25,178.21) v2(153.25,178.21) v2(153.25,176) v2(153.25,176) v2(153.55,210.97) v2(153.55,209.97) v2(153.55,208.97) v2(153.55,207.97) v2(153.55,206.97) v2(153.55,205.97) v2(153.55,204.97) v2(153.55,203.97) v2(153.6,210.97) v2(153.6,209.97) v2(153.6,208.97) v2(153.6,207.97) v2(153.6,206.97) v2(153.6,205.97) v2(153.6,204.97) v2(153.6,203.97) v2(154.05,191.5) v2(154.05,191.5) v2(154.05,189.29) v2(154.05,189.29) v2(154.05,187.07) v2(154.05,187.07) v2(154.05,184.86) v2(154.05,184.86) v2(154.05,182.64) v2(154.05,182.64) v2(154.05,180.43) v2(154.05,180.43) v2(154.05,178.21) v2(154.05,178.21) v2(154.05,176) v2(154.05,176) v2(154.55,210.97) v2(154.55,209.97) v2(154.55,208.97) v2(154.55,207.97) v2(154.55,206.97) v2(154.55,205.97) v2(154.55,204.97) v2(154.55,203.97) v2(154.85,191.5) v2(154.85,191.5) v2(154.85,189.29) v2(154.85,189.29) v2(154.85,187.07) v2(154.85,187.07) v2(154.85,184.86) v2(154.85,184.86) v2(154.85,182.64) v2(154.85,182.64) v2(154.85,180.43) v2(154.85,180.43) v2(154.85,178.21) v2(154.85,178.21) v2(154.85,176) v2(154.85,176) v2(155.65,191.5) v2(155.65,189.29) v2(155.65,187.07) v2(155.65,184.86) v2(155.65,182.64) v2(155.65,180.43) v2(155.65,178.21) v2(155.65,176)
